# Altium PCB OpenPLCv0.2.0.PcbDoc (part 3 of 6)
Units mm, origin at the board's own origin, x right, y up, seen from the top; angles counter-clockwise.
Board outline 180 x 120 mm, 4 copper layers (Top Copper, Int1 Copper (GND), Int2 Copper (GND), Bottom Copper), stack 1.57 mm thick; 541 components, 405 nets, 1586 pads, 1395 vias.
Unrouted connection lines stored in the file: 4.
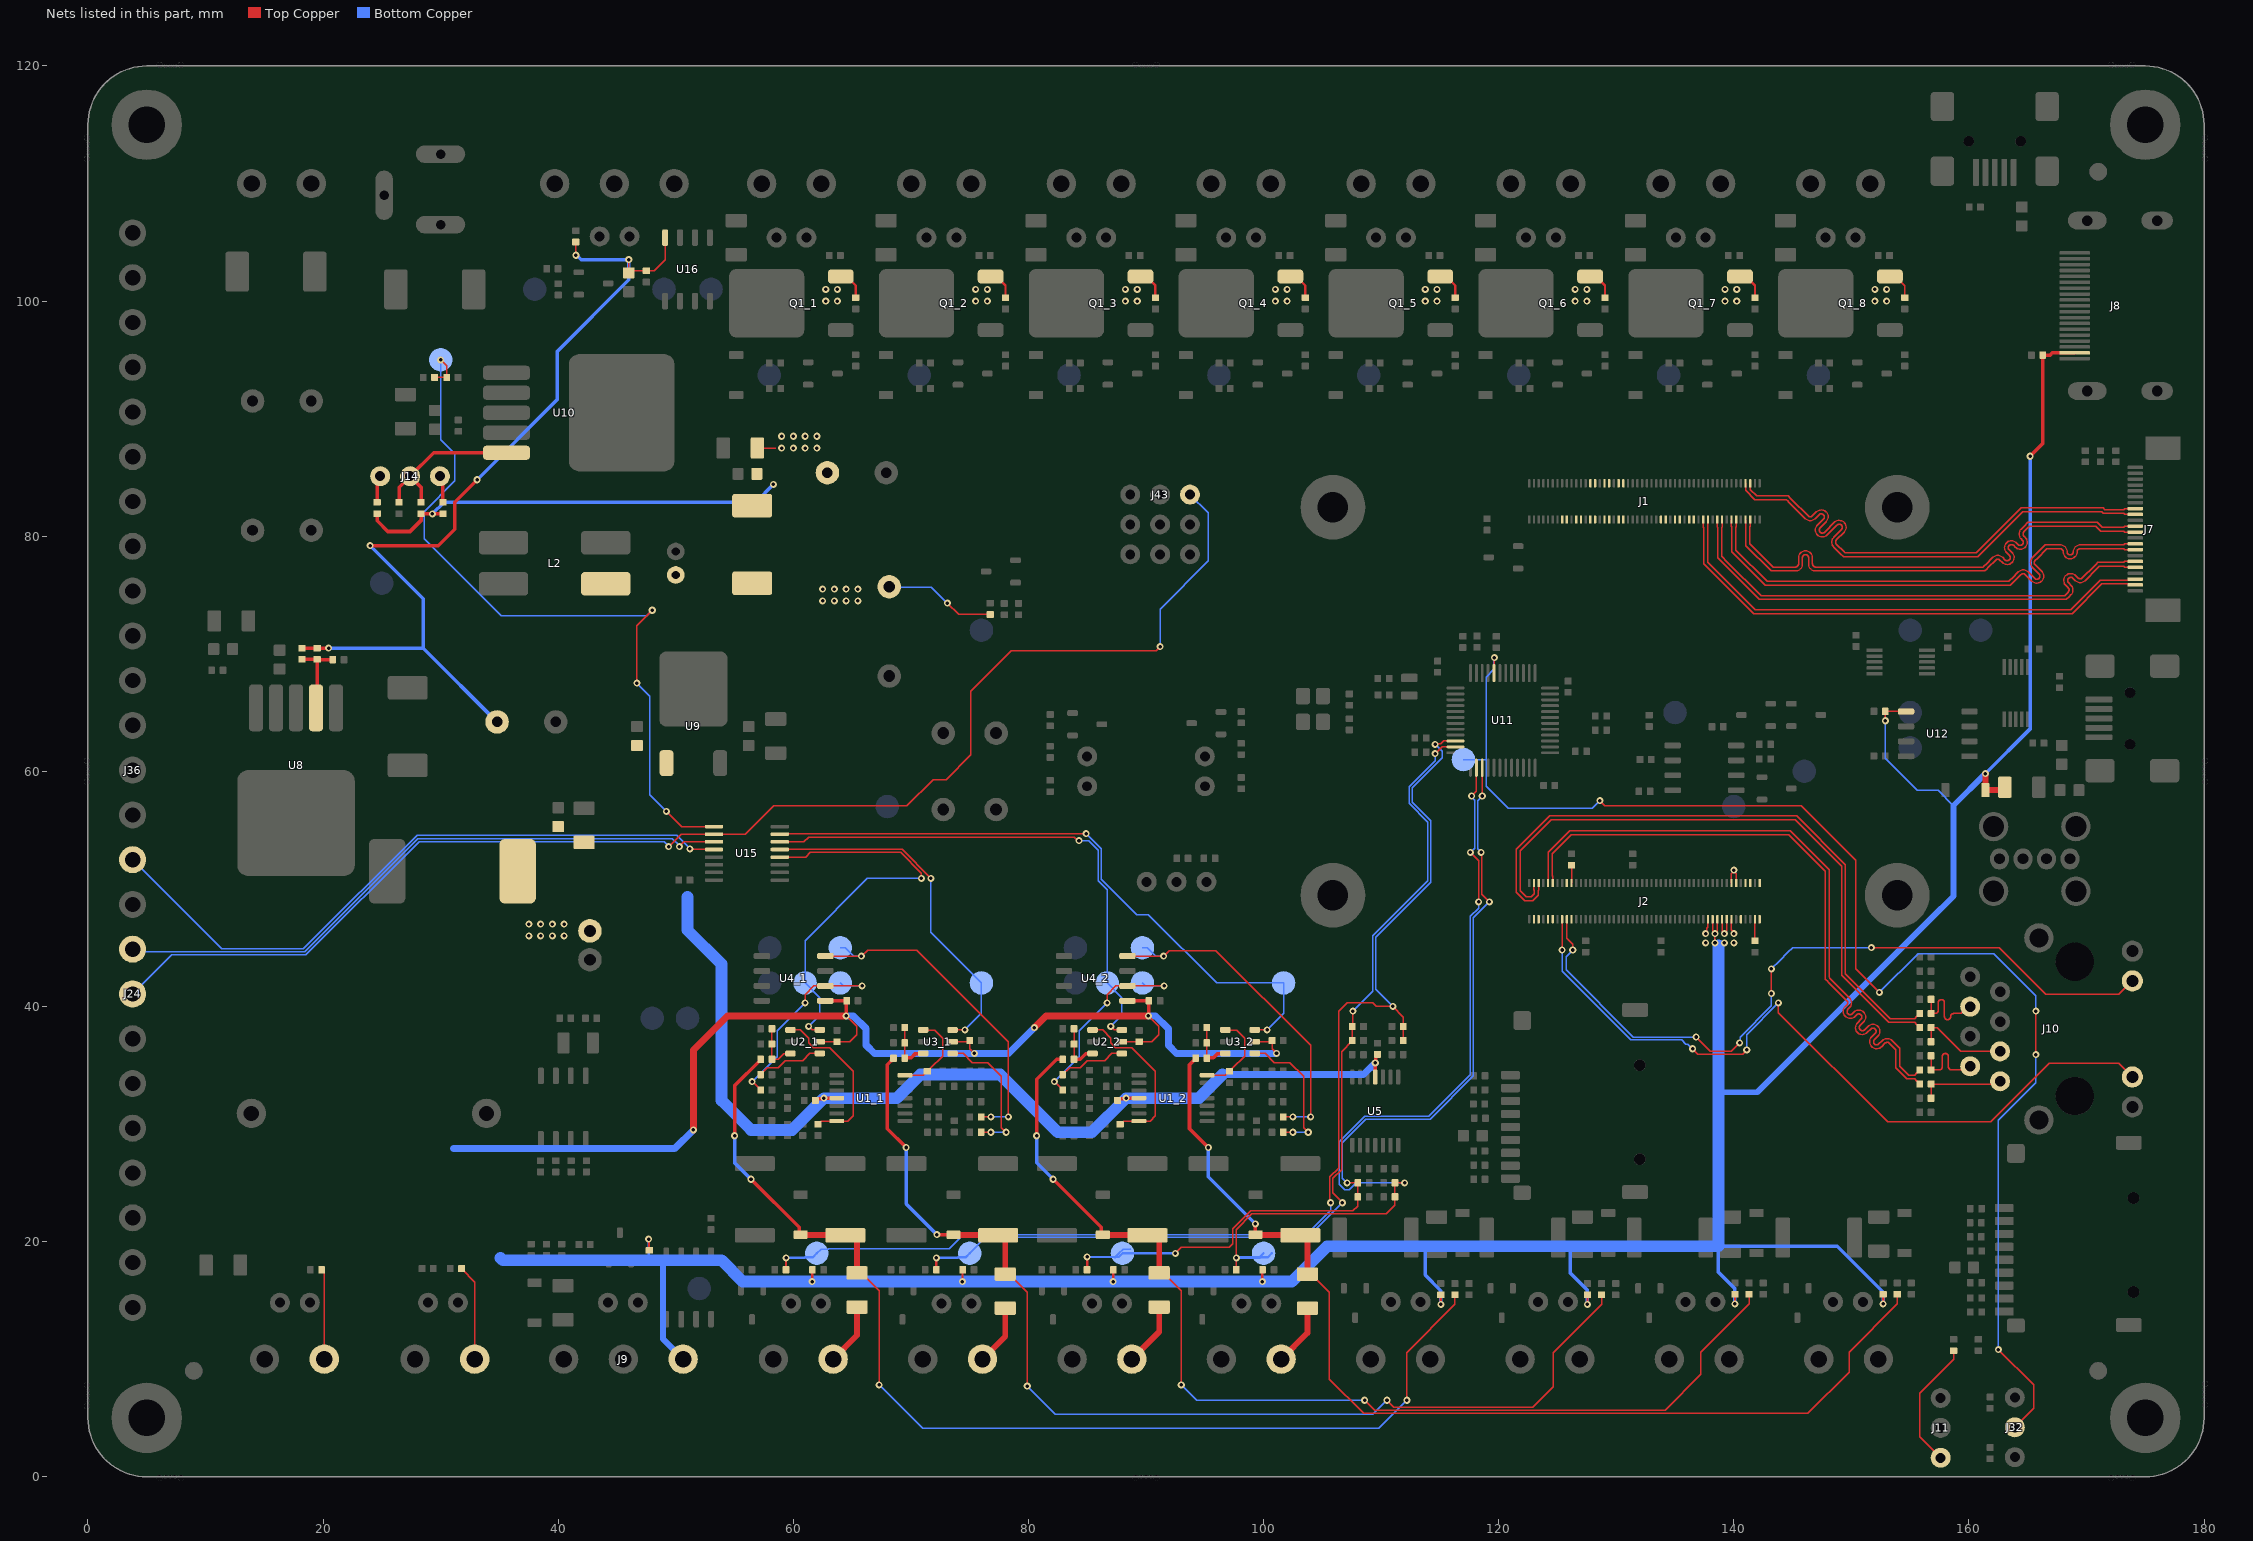
[diagram p5: the nets of this part, all layers, seen from the top]

## Via types
v1: diameter 0.6, hole 0.3, Top Copper to Bottom Copper, tented both sides, 1296 vias
v2: diameter 0.7, hole 0.3, Top Copper to Bottom Copper, tented bottom, 99 vias

## Nets (pads, with @x,y where several pads share a name; then routed paths per layer and width w, separated by ;. In a path a pad name is that pad's centre, name@x,y a point inside that pad or via, vN(x,y) a via of type N, cw(c..) or ccw(c..) an arc to the next point about the centre after c; other vN are vias at no path point) (continued)
5V: C3_1.2 C3_2.2 C6_1.2 C6_2.2 C7_1.2 C7_2.2 C13.2 C17.2 C20.2 C21.2 C22.1 C28.2 C51.2 C58.2 C59.2 D13.2 F8.1 J2.77 J2.79 J2.81 J2.83 J2.85 J2.87 J8.18 J9.1 J31.1 J40.1 L1.2 R54.2 R57.2 R72.2 R76.2 R86_1.2 R86_2.2 R86_3.2 R86_4.2 R86_5.2 R86_6.2 R86_7.2 R86_8.2 U2_1.5 U2_2.5 U3_1.5 U3_2.5 U4_1.5 U4_2.5 U9.1 U12.5 U16.8 | length 480
  Top Copper w0.127: R57.2@31.78,17.7 31.78,17.675 32.9,16.555 J31.1@32.9,10 ; v1(41.5,103.9) R76.2@41.5,105.02 ; C58.2@46,102.4 v1(46,103.52) ; C58.2@46.166,102.566 47.486,102.566 C59.2@47.5,102.58 ; C59.2@47.529,102.584 47.504,102.584 C59.2@47.5,102.58 ; R72.2@47.75,19.25 R72.2@47.775,19.25 ; U16.8@49.095,105.4 49.098,105.397 49.098,103.498 48.18,102.58 C59.2@47.5,102.58 ; U2_1.5@62.25,37 C3_1.2@63.72,37 64.8,37 65.4,37.6 65.4,38.3 v1(64.5,39.2) ; C7_1.2@64.541,40.48 C7_1.2@64.544,40.482 ; U3_1.5@73.55,37 74.92,37 C6_1.2@75.02,37.1 75.02,36.38 v1(75.4,36) ; U2_2.5@87.95,37 C3_2.2@89.42,37 90.5,37 91.1,37.6 91.1,38.3 v1(90.2,39.2) v1@90.222,39.222 ; U3_2.5@99.25,37 100.62,37 C6_2.2@100.72,37.1 100.72,36.38 v1(101.1,36) ; v1(137.6,46.2) 137.691,46.291 137.691,46.645 137.8,46.754 J2.77@137.8,47.42 ; v1@138.2,46.4 J2.79@138.2,47.42 ; v1@138.4,45.5 v1(138.4,46.2) ; v1@138.6,46.4 J2.81@138.6,47.42 ; J2.83@139,47.42 139,46.406 139.1,46.306 v1@139.1,46.2 ; v1@139.4,46.4 J2.85@139.4,47.42 ; J2.87@139.8,47.42 139.8,46.528 140,46.328 v1(140,46.2) ; C51.2@152.88,65.1 C51.2@152.885,65.095 ; v1(152.9,64.3) 152.9,65.08 C51.2@152.885,65.095 ; U12.5@154.65,65.09 154.645,65.095 C51.2@152.885,65.095 ; F8.1@162.683,58.4 F8.1@162.875,58.4 ; J8.18@168.995,95.595 J8.18@169,95.6
  Top Copper w0.2: v1(47.7,20.2) 47.725,20.175 47.725,19.275 R72.2@47.75,19.25 ; v1(61.603,16.6) 61.612,16.608 61.612,17.592 R86_1.2@61.62,17.6 ; v1(74.379,16.6) 74.395,16.615 74.395,17.585 R86_2.2@74.41,17.6 ; v1(87.2,16.6) 87.21,16.61 87.21,17.59 R86_4.2@87.22,17.6 ; v1(99.9,16.6) 99.9,17.58 R86_3.2@99.92,17.6 ; v1(115.08,14.65) R86_5.2@115.08,15.47 ; v1(127.55,14.65) R86_6.2@127.55,15.47 ; v1(140.1,14.7) R86_7.2@140.1,15.52 ; v1(152.7,14.7) R86_8.2@152.7,15.52
  Top Copper w0.3: C17.2@18.2,70.48 R54.2@19.5,70.48 v1(20.48,70.48) ; v1(24,79.2) 29.8,79.2 31.2,80.6 31.2,82.9 v1(33.1,84.8) ; U4_1.5@62.724,40.482 C7_1.2@64.544,40.482 ; v1(64.5,39.2) 64.522,39.222 64.522,40.46 C7_1.2@64.541,40.48 ; U4_2.5@88.424,40.477 88.426,40.48 C7_2.2@90.241,40.48 ; v1@90.222,39.222 90.222,40.46 C7_2.2@90.241,40.48 ; C7_2.2@90.244,40.482 C7_2.2@90.241,40.48 ; v1(165.2,86.8) 166.28,87.88 C13.2@166.28,95.4 166.9,95.4 167.095,95.595 J8.18@168.995,95.595
  Top Copper w0.5: v1(161.4,59.8) D13.2@161.4,58.4 F8.1@162.683,58.4
  Top Copper w0.6: v1(51.5,29.5) 51.5,36.3 54.4,39.2 v1(64.5,39.2) ; v1(80.5,38.2) 81.5,39.2 v1(90.2,39.2)
  Bottom Copper w0.127: 48.853,18.4 48.9,18.353 ; v1(152.9,64.3) 152.9,61.1 155.599,58.401 157.37,58.401 158.686,57.086
  Bottom Copper w0.2: 47.7,18.4 v1(47.7,20.2)
  Bottom Copper w0.3: v1(20.48,70.48) 28.52,70.48 ; v1(24,79.2) 28.52,74.68 28.52,70.48 ; v1(33.1,84.8) 39.9,91.6 39.9,95.7 46,101.8 v1(46,103.52) 41.948,103.52 41.568,103.9 v1(41.5,103.9) ; C22.1@34.8,64.2 28.52,70.48 ; 113.742,19.6 113.742,17.158 115.08,15.82 v1(115.08,14.65) ; 126.106,19.6 126.106,17.294 127.55,15.85 v1(127.55,14.65) ; v1(140.1,14.7) 140.1,16 138.696,17.404 138.696,19.6 148.8,19.6 152.7,15.7 v1(152.7,14.7) ; v1(161.4,59.8) 165.2,63.6 v1(165.2,86.8)
  Bottom Copper w0.5: 48.9,18.353 48.9,11.721 J9.1@50.621,10 ; 138.696,32.7 142,32.7 154,44.7 156.706,47.406 158.686,49.386 158.686,57.086 v1(161.4,59.8)
  Bottom Copper w0.6: 31.1,27.9 49.9,27.9 v1(51.5,29.5) ; v1(64.5,39.2) 65.1,39.2 66.2,38.1 66.2,36.7 66.9,36 v1(75.4,36) 78.3,36 v1(80.5,38.2) ; v1(90.2,39.2) 90.8,39.2 91.9,38.1 91.9,36.7 92.6,36 v1(101.1,36)
  Bottom Copper w1: 35.1,18.6 35.3,18.4 47.7,18.4 48.853,18.4 53.9,18.4 55.7,16.6 v1(61.603,16.6) v1(74.379,16.6) v1(87.2,16.6) v1(99.9,16.6) 102.4,16.6 105.4,19.6 113.742,19.6 126.106,19.6 138.696,19.6 138.696,32.7 138.696,45.204
  other v1: 137.6,45.4 138.4,45.4 139.2,45.4 140,45.4 37.5,46 38.5,46 39.5,46 40.5,46 139.2,46.2 37.5,47 38.5,47 39.5,47 40.5,47
12VOPT: J14.1 R60.1 | length 2.3
  Top Copper w0.3: J14.1@29.94,85.1 30.2,84.84 R60.1@30.2,82.88
24V: BZR1.1 C2_1.2 C2_2.2 C31.2 C37.2 C38.2 C39.1 C63.2 D12.2 J30.1 Q1_1.3 Q1_2.3 Q1_3.3 Q1_4.3 Q1_5.3 Q1_6.3 Q1_7.3 Q1_8.3 R56.2 R60.2 R61.2 R65_1.2 R65_2.2 R65_3.2 R65_4.2 R65_5.2 R65_6.2 R65_7.2 R65_8.2 R101.2 U1_1.4 U1_2.4 U5.4 | length 164.7
  Top Copper w0.127: R56.2@19.88,17.6 20.1,17.38 J30.1@20.1,10 ; C38.2@56.95,87.5 58.5,87.5 ; v1(73.1,74.3) 74.06,73.34 R101.2@76.75,73.34 ; Q1_8.3@153.776,102.093 154.546,101.323 R65_8.2@154.546,100.287
  Top Copper w0.2: Q1_1.3@64.033,102.093 64.533,102.093 65.303,101.323 R65_1.2@65.303,100.287 ; Q1_2.3@76.782,102.093 77.282,102.093 78.052,101.323 R65_2.2@78.052,100.287 ; Q1_3.3@89.531,102.093 90.031,102.093 90.801,101.323 R65_3.2@90.801,100.287 ; Q1_4.3@102.28,102.093 102.78,102.093 103.55,101.323 R65_4.2@103.55,100.287 ; Q1_5.3@115.029,102.093 115.529,102.093 116.299,101.323 R65_5.2@116.299,100.287 ; Q1_6.3@127.778,102.093 128.278,102.093 129.048,101.323 R65_6.2@129.048,100.287 ; Q1_7.3@140.527,102.093 141.027,102.093 141.797,101.323 R65_7.2@141.797,100.287 ; Q1_8.3@153.276,102.093 Q1_8.3@153.776,102.093
  Top Copper w0.3: R61.2@24.6,81.92 24.6,81.3 25.5,80.4 27.4,80.4 28.333,81.333 C31.2@28.333,81.92 28.353,81.9 v1(29.3,81.9) ; v1@29.32,81.92 29.34,81.9 30.18,81.9 R60.2@30.2,81.92 ; C2_1.2@61.88,32 61.88,32.008 62.015,32.143 v1@62.543,32.143 ; v1(62.6,32.2) U1_1.4@63.7,32.2 ; C2_2.2@87.58,32 87.58,32.008 87.715,32.143 88.243,32.143 v1(88.3,32.2) U1_2.4@89.4,32.2 ; U5.4@109.5,34 v1(109.5,35.2) 109.557,35.257 109.557,35.785 109.692,35.92 C63.2@109.7,35.92
  Bottom Copper w0.127: BZR1.1@68.151,75.7 68.176,75.675 71.725,75.675 v1(73.1,74.3)
  Bottom Copper w0.3: v1(29.3,81.9) 30.3,82.9 56.8,82.9 v1(58.3,84.4)
  Bottom Copper w0.6: 96.5,34.2 108.5,34.2 v1(109.5,35.2)
  Bottom Copper w1: 51,49.3 51,46.5 53.9,43.6 53.9,32 56.4,29.5 59.9,29.5 v1(62.6,32.2) 68.8,32.2 70.8,34.2 77.6,34.2 82.5,29.3 85.4,29.3 v1(88.3,32.2) 94.5,32.2 96.5,34.2
  other v1: 62.5,74.5 63.5,74.5 64.5,74.5 65.5,74.5 62.5,75.5 63.5,75.5 64.5,75.5 65.5,75.5 59,87.5 60,87.5 61,87.5 62,87.5 59,88.5 60,88.5 61,88.5 62,88.5 62.757,100 63.757,100 75.506,100 76.506,100 88.255,100 89.255,100 101.004,100 102.004,100 113.753,100 114.753,100 126.502,100 127.502,100 139.251,100 140.251,100 152,100 153,100 62.757,101 63.757,101 75.506,101 76.506,101 88.255,101 89.255,101 101.004,101 102.004,101 113.753,101 114.753,101 126.502,101 127.502,101 139.251,101 140.251,101 152,101 153,101
24V_PD: C32.2 D12.1 L2.3 | length 1.1
  Top Copper w0.127: L2.3@44.05,75.95 L2.3@45.15,75.95
24VOPT: J14.3 R61.1 | length 2.3
  Top Copper w0.3: R61.1@24.6,82.88 24.6,84.84 J14.3@24.86,85.1
ADC_IN1: R23.1 R26.1 R87_1.2 TP13.1 U11.10 | length 103.2
  Top Copper w0.127: v1(105.7,23.3) 105.646,23.354 105.646,25.494 106.377,26.225 106.377,39.577 107.1,40.3 109.279,40.3 109.579,40 v1(111,40) 111.9,39.1 111.9,38.32 R26.1@111.88,38.3 R23.1@111.88,37.1 ; v1(114.6,62.3) 114.639,62.339 115.066,62.339 115.306,62.58 U11.10@116.325,62.58
  Top Copper w0.2: R87_1.2@59.38,17.6 v1(59.38,18.62)
  Bottom Copper w0.127: TP13.1@62,19 62.358,19.358 62.969,19.358 63.011,19.4 73.259,19.4 74.459,20.6 103.641,20.6 105.7,22.659 v1(105.7,23.3) ; v1(111,40) 109.554,41.446 109.554,45.895 114.229,50.57 114.229,55.788 112.63,57.388 112.63,58.589 115.2,61.159 115.2,61.7 v1(114.6,62.3)
  Bottom Copper w0.2: v1(59.38,18.62) 60.983,18.62 61.018,18.656 61.656,18.656 TP13.1@62,19
ADC_IN2: R27.1 R30.1 R87_2.2 TP14.1 U11.11 | length 82.9
  Top Copper w0.127: v1(106.7,23.3) 106.7,23.348 105.9,24.148 105.9,25.389 106.631,26.12 106.631,36.166 107.54,37.075 R27.1@107.54,37.1 R30.1@107.54,38.3 107.6,38.36 v1(107.6,39.6) ; v1(114.6,61.5) 115.18,62.08 U11.11@116.325,62.08
  Top Copper w0.2: R87_2.2@72.17,17.6 v1(72.17,18.62)
  Bottom Copper w0.127: TP14.1@75,19 76.346,20.346 103.746,20.346 v1(106.7,23.3) ; v1(107.6,39.6) 109.3,41.3 109.3,46 113.975,50.675 113.975,55.683 112.376,57.283 112.376,58.694 114.6,60.918 v1(114.6,61.5)
  Bottom Copper w0.2: v1(72.17,18.62) 73.983,18.62 74.018,18.656 74.656,18.656 TP14.1@75,19
ADC_IN3: R31.1 R34.1 R87_3.2 TP15.1 U11.14 | length 76.2
  Top Copper w0.127: R87_3.2@97.68,17.6 v1(97.68,18.62) 97.68,21.021 99.005,22.346 110.446,22.346 111.18,23.08 R34.1@111.18,23.8 R31.1@111.18,25 v1(112,25) ; v1(117.6,53.1) 118.3,52.4 v1(118.3,48.9) ; v1(117.7,57.9) 118.1,58.3 U11.14@118.1,60.305
  Bottom Copper w0.127: v1(112,25) 107.9,25 107.3,24.4 106.9,24.4 106.446,24.854 106.446,28.505 108.595,30.654 114.054,30.654 117.6,34.2 117.6,47.659 118.3,48.359 v1(118.3,48.9) ; v1(117.6,53.1) 117.946,53.446 117.946,57.54 117.7,57.786 v1(117.7,57.9)
  Bottom Copper w0.2: v1(97.68,18.62) 97.747,18.687 99.687,18.687 TP15.1@100,19 ; v1@97.87,18.62 99.683,18.62 99.718,18.656 100.356,18.656 TP15.1@100.7,19
ADC_IN4: R35.1 R38.1 R87_4.2 TP16.1 U11.15 | length 75.7
  Top Copper w0.127: R87_4.2@84.98,17.6 85,17.62 R87_4.2@85,17.68 ; v1(92.5,19) 93,19.5 97.1,19.5 97.4,19.8 97.4,21.1 98.9,22.6 107.6,22.6 108.02,23.02 R38.1@108.02,23.8 R35.1@108.02,25 v1(107.1,25) ; v1(118.5,53.1) 118.554,53.046 118.554,49.546 v1(119.2,48.9) ; v1(118.6,57.9) U11.15@118.6,60.305
  Top Copper w0.2: R87_4.2@85,17.68 84.99,17.69 84.99,18.69 v1(85,18.7)
  Bottom Copper w0.127: TP16.1@87.7,19 88.058,19.358 88.669,19.358 TP16.1@88.711,19.4 ; v1(107.1,25) 106.7,25.4 106.7,28.4 108.7,30.4 114.159,30.4 117.854,34.095 117.854,47.554 v1(119.2,48.9) ; v1(118.5,53.1) 118.2,53.4 118.2,57.5 v1(118.6,57.9)
  Bottom Copper w0.2: v1(85,18.7) 85.013,18.687 TP16.1@87.387,18.687 ; TP16.1@87.356,18.656 TP16.1@87.387,18.687 ; TP16.1@87.7,19 TP16.1@87.387,18.687 ; v1(92.5,19) TP16.1@88,19 87.687,18.687 TP16.1@87.387,18.687
ANALOG_IP0: J2.96
ANALOG_IP1: J2.94
AOUT1_1: D1_1.2 F1_1.1 R8_1.1 R10_1.2 R87_5.2 | length 94.6
  Top Copper w0.127: R10_1.2@57.22,35.475 R10_1.2@57.22,35.5 ; F1_1.1@65.424,17.332 65.768,17.332 67.3,15.8 v1(67.3,7.8) ; v1(112.2,6.5) 112.18,6.52 112.18,10.55 116.28,14.65 R87_5.2@116.28,15.47
  Top Copper w0.3: v1(55,29) 55,33.255 R10_1.2@57.22,35.475 ; v1(56.4,25.3) 60.494,21.206 60.494,20.712 D1_1.2@60.624,20.582
  Top Copper w0.5: D1_1.2@60.624,20.582 60.649,20.557 64.399,20.557 R8_1.1@64.424,20.532 65.049,20.532 65.424,20.157 F1_1.1@65.424,17.332
  Bottom Copper w0.127: v1(67.3,7.8) 71,4.1 109.8,4.1 v1(112.2,6.5)
  Bottom Copper w0.3: v1(55,29) 55,26.7 v1(56.4,25.3)
AOUT1_2: D1_2.2 F1_2.1 R8_2.1 R10_2.2 R87_7.2 | length 91.7
  Top Copper w0.127: F1_2.1@91.124,17.332 91.468,17.332 93,15.8 v1(93,7.8) ; v1(108.6,6.5) 109.446,5.654 134.154,5.654 137.2,8.7 137.2,10.6 141.3,14.7 R87_7.2@141.3,15.52
  Top Copper w0.3: v1(80.7,29) 80.7,33.8 82.4,35.5 R10_2.2@82.92,35.5 ; v1(82.1,25.3) 86.194,21.206 86.194,20.712 D1_2.2@86.324,20.582
  Top Copper w0.5: D1_2.2@86.324,20.582 86.349,20.557 90.099,20.557 R8_2.1@90.124,20.532 90.749,20.532 91.124,20.157 F1_2.1@91.124,17.332
  Bottom Copper w0.127: v1(93,7.8) 94.3,6.5 v1(108.6,6.5)
  Bottom Copper w0.3: v1(80.7,29) 80.7,26.7 v1(82.1,25.3)
AOUT1_PTC_1: F1_1.2 J3_1.1 | length 5.3
  Top Copper w0.5: J3_1.1@63.39,10 65.424,12.034 F1_1.2@65.424,14.432
AOUT1_PTC_2: F1_2.2 J3_2.1 | length 5.4
  Top Copper w0.5: J3_2.1@88.794,10 91.124,12.33 F1_2.2@91.124,14.432
AOUT2_1: D2_1.2 F2_1.1 R19_1.1 R22_1.2 R87_6.2 | length 93.1
  Top Copper w0.127: R22_1.2@68.52,35.575 R22_1.2@68.52,35.6 ; F2_1.1@78.024,17.232 78.368,17.232 79.9,15.7 v1(79.9,7.7) ; v1(110.5,6.5) 111.092,5.908 122.908,5.908 124.65,7.65 124.65,10.55 128.75,14.65 R87_6.2@128.75,15.47
  Top Copper w0.3: R22_1.2@68.52,35.575 68,35.055 68,29.6 v1(69.6,28) ; v1(72.218,20.582) D2_1.2@73.624,20.582
  Top Copper w0.5: D2_1.2@73.624,20.582 73.649,20.557 77.399,20.557 R19_1.1@77.424,20.532 77.649,20.532 78.024,20.157 F2_1.1@78.024,17.232
  Bottom Copper w0.127: v1(79.9,7.7) 82.3,5.3 109.3,5.3 v1(110.5,6.5)
  Bottom Copper w0.3: v1(69.6,28) 69.6,23.2 v1(72.218,20.582)
AOUT2_2: D2_2.2 F2_2.1 R19_2.1 R22_2.2 R87_8.2 | length 90.1
  Top Copper w0.127: R22_2.2@94.22,35.575 R22_2.2@94.22,35.6 ; F2_2.1@103.724,17.232 104.068,17.232 105.6,15.7 105.6,8.308 108.508,5.4 146.3,5.4 149.8,8.9 149.8,10.6 153.9,14.7 R87_8.2@153.9,15.52
  Top Copper w0.3: R22_2.2@94.22,35.575 93.7,35.055 93.7,29.6 v1(95.3,28) ; v1(99.3,21.5) 99.3,20.606 D2_2.2@99.324,20.582
  Top Copper w0.5: D2_2.2@99.324,20.582 99.349,20.557 103.099,20.557 R19_2.1@103.124,20.532 103.349,20.532 103.724,20.157 F2_2.1@103.724,17.232
  Bottom Copper w0.3: v1(95.3,28) 95.3,25.5 v1(99.3,21.5)
AOUT2_PTC_1: F2_1.2 J4_1.1 | length 5.1
  Top Copper w0.5: J4_1.1@76.092,10 78.024,11.932 F2_1.2@78.024,14.332
AOUT2_PTC_2: F2_2.2 J4_2.1 | length 5.3
  Top Copper w0.5: J4_2.1@101.496,10 103.724,12.228 F2_2.2@103.724,14.332
B\T\_\D\I\S\A\B\L\E\: J2.91
BOOT0: J32.2 TP25.1 U11.44 | length 117.2
  Top Copper w0.127: U11.44@119.6,68.355 119.618,68.373 119.618,69.645 v1(119.637,69.663) ; v1(128.6,57.5) 129.011,57.089 145.731,57.089 150.389,52.431 150.389,43.2 v1(152.389,41.2) ; v1(162.5,10.8) 165.5,7.8 165.5,5.8 J32.2@163.9,4.2 ; v1(165.7,35.9) v1(165.7,39.6)
  Bottom Copper w0.127: TP25.1@117,61 118.915,61 118.926,60.989 ; v1@119.6,69.634 119.6,68.678 118.938,68.016 118.938,58.721 120.805,56.854 127.954,56.854 v1(128.6,57.5) ; v1@119.608,69.634 v1(119.637,69.663) ; v1(152.389,41.2) 155.689,44.5 162.1,44.5 165.7,40.9 v1(165.7,39.6) ; v1(162.5,10.8) 162.5,30.3 165.7,33.5 v1(165.7,35.9)
CAM0_C_N: J1.40
CAM0_C_P: J1.42
CAM0_D0_N: J1.28
CAM0_D0_P: J1.30
CAM0_D1_N: J1.34
CAM0_D1_P: J1.36
CAM1_C_N: J1.27
CAM1_C_P: J1.29
CAM1_D0_N: J1.15
CAM1_D0_P: J1.17
CAM1_D1_N: J1.21
CAM1_D1_P: J1.23
CAM1_D2_N: J1.33
CAM1_D2_P: J1.35
CAM1_D3_N: J1.39
CAM1_D3_P: J1.41
CAMERA_GPIO: J2.97 R91.2 | length 1.8
  Top Copper w0.127: R91.2@141.8,45.58 J2.97@141.8,47.42
CM4_1V8: J2.88 J2.90 | length 2.4
  Top Copper w0.127: J2.88@139.8,50.5 139.8,51.286 v1@140,51.486 ; J2.90@140.2,50.5 140.2,51.286 v1@140,51.486 ; v1@140,51.486 v1(140,51.6) v1@140,51.486
DAC_CH1_1: R1_1.1 TP6_1.1 U4_1.6 | length 17.4
  Top Copper w0.127: v1(56.5,33.6) 56.545,33.6 57.22,32.925 R1_1.1@57.22,32.9 ; v1(61,40.3) 61,41 61.747,41.747 U4_1.6@62.724,41.747 v1(65.847,41.747)
  Bottom Copper w0.127: v1(56.5,33.6) 58.621,35.721 58.621,37.921 v1(61,40.3) ; TP6_1.1@64,42 64.253,41.747 v1(65.847,41.747)
DAC_CH1_2: R1_2.1 TP6_2.1 U4_2.6 | length 17.4
  Top Copper w0.127: v1(82.2,33.6) 82.245,33.6 82.92,32.925 R1_2.1@82.92,32.9 ; v1(86.7,40.3) 86.7,41 87.447,41.747 U4_2.6@88.424,41.747 v1(91.547,41.747)
  Bottom Copper w0.127: v1(82.2,33.6) 84.321,35.721 84.321,37.921 v1(86.7,40.3) ; TP6_2.1@89.7,42 89.953,41.747 v1(91.547,41.747)
DAC_CH2_1: R12_1.1 TP11_1.1 U4_1.8 | length 29.8
  Top Copper w0.127: U4_1.8@62.724,44.287 v1(65.798,44.287) 66.311,44.8 70.482,44.8 78.3,36.982 v1(78.3,30.6) ; R12_1.1@75.98,30.6 v1(76.8,30.6)
  Bottom Copper w0.127: TP11_1.1@64,45 64.42,45 65.132,44.287 v1(65.798,44.287) ; v1(76.8,30.6) v1(78.3,30.6)
DAC_CH2_2: R12_2.1 TP11_2.1 U4_2.8 | length 29.6
  Top Copper w0.127: U4_2.8@88.424,44.287 v1(91.498,44.287) 91.964,44.753 95.929,44.753 104,36.682 v1(104,30.6) ; R12_2.1@101.68,30.6 v1(102.5,30.6)
  Bottom Copper w0.127: TP11_2.1@89.7,45 90.119,45 90.832,44.287 v1(91.498,44.287) ; v1(102.5,30.6) v1(104,30.6)
DSI0.CLK_N: J1.87 J7.15 | length 43.1
  Top Copper w0.127: J1.87@139.8,81.42 139.8,80.837 139.836,80.801 139.836,78.688 142.692,75.832 163.532,75.832 163.749,76.049 163.909,76.209 ccw(c163.794,76.325) 163.91,76.21 164.429,76.729 cw(c164.617,76.544) 164.803,76.73 ; 164.804,76.729 165.35,76.183 ccw(c165.769,76.599) 166.234,76.963 166.234,76.969 165.639,77.565 cw(c165.824,77.752) 165.638,77.938 ; 165.639,77.939 165.798,78.098 166.636,78.936 166.679,78.936 167.76,78.936 cw(c167.76,78.673) 168.024,78.673 ccw(c168.614,78.673) 169.205,78.673 cw(c169.468,78.673) 169.468,78.936 170.5,78.936 173.15,78.936 173.236,78.85 J7.15@174.15,78.85
DSI0.CLK_P: J1.89 J7.14 | length 42.5
  Top Copper w0.127: J1.89@140.2,81.42 140.2,80.8 140.163,80.763 140.163,78.823 142.828,76.159 163.397,76.159 163.518,76.28 163.678,76.44 cw(c163.794,76.325) 163.679,76.441 164.198,76.961 cw(c164.617,76.544) 165.035,76.961 165.582,76.414 ccw(c165.769,76.599) 165.955,76.786 ; 165.954,76.787 165.408,77.333 cw(c165.824,77.752) 165.407,78.17 165.567,78.33 166.501,79.263 166.679,79.263 167.76,79.263 cw(c167.76,78.673) 168.351,78.673 ccw(c168.614,78.673) 168.878,78.673 cw(c169.468,78.673) 169.468,79.263 170.5,79.263 173.15,79.263 173.237,79.35 J7.14@174.15,79.35
DSI0.D0_N: J1.75 J7.21 | length 43.3
  Top Copper w0.127: J1.75@137.4,81.42 137.4,80.754 137.436,80.717 137.436,77.644 141.68,73.4 168.782,73.4 171.319,75.937 171.5,75.937 173.489,75.937 173.496,75.929 174.071,75.929 J7.21@174.15,75.85
DSI0.D0_P: J1.77 J7.20 | length 42.8
  Top Copper w0.127: J1.77@137.8,81.42 137.8,80.754 137.763,80.717 137.763,77.779 141.816,73.727 168.647,73.727 171.183,76.263 171.5,76.263 173.489,76.263 173.496,76.271 174.071,76.271 J7.20@174.15,76.35
DSI0.D1_N: J1.81 J7.18 | length 43
  Top Copper w0.127: J1.81@138.6,81.42 138.6,80.778 138.636,80.741 138.636,78.163 139,77.8 142.184,74.616 168.278,74.616 168.513,74.851 168.673,75.011 ccw(c168.256,75.429) 168.722,75.792 168.722,75.799 168.474,76.047 ; 168.473,76.047 cw(c168.659,76.234) 168.845,76.42 169.046,76.219 ccw(c169.464,76.637) 169.882,76.22 170.888,77.226 ccw(c170.773,77.342) 170.889,77.227 171.049,77.387 171.099,77.437 173.15,77.437 173.236,77.35 J7.18@174.15,77.35
DSI0.D1_P: J1.83 J7.17 | length 42.5
  Top Copper w0.127: J1.83@139,81.42 139,80.781 138.963,80.745 138.963,78.299 139.462,77.8 142.319,74.943 168.143,74.943 168.282,75.082 168.442,75.242 ; 168.443,75.243 ccw(c168.256,75.429) 168.442,75.616 168.241,75.817 cw(c168.659,76.234) 169.077,76.651 169.277,76.451 ; 169.278,76.45 ccw(c169.464,76.637) 169.651,76.451 ; 169.651,76.451 170.657,77.457 cw(c170.773,77.342) 170.658,77.458 170.818,77.618 170.964,77.764 173.15,77.764 173.236,77.85 J7.17@174.15,77.85
DSI0.D2_N: J1.93 J7.12 | length 43
  Top Copper w0.127: J1.93@141,81.42 141,80.837 141.036,80.801 141.036,79.208 143.196,77.048 143.312,77.048 145.247,77.048 ccw(c145.247,77.638) 145.837,77.638 145.837,78.17 cw(c146.101,78.17) 146.101,78.434 cw(c146.101,78.17) 146.364,78.17 146.364,77.638 ccw(c146.955,77.638) 146.955,77.048 148.38,77.048 161.348,77.048 161.498,77.198 161.658,77.358 ccw(c161.543,77.474) 161.659,77.359 162.261,77.961 cw(c162.448,77.776) 162.635,77.962 162.834,77.763 ccw(c163.252,78.18) 163.718,78.543 163.718,78.55 163.43,78.837 cw(c163.616,79.024) 163.43,79.21 cw(c163.616,79.024) 163.803,79.21 163.952,79.061 ccw(c164.369,79.478) 164.786,79.896 164.677,80.006 cw(c164.864,80.191) 164.678,80.378 165.002,80.702 ccw(c164.887,80.818) 165.003,80.703 165.158,80.858 165.167,80.858 170.779,80.858 171.201,80.437 173.15,80.437 173.236,80.35 J7.12@174.15,80.35
DSI0.D2_P: J1.95 J7.11 | length 42.5
  Top Copper w0.127: J1.95@141.4,81.42 141.4,80.838 141.363,80.801 141.363,79.343 143.312,77.395 143.332,77.375 145.247,77.375 ccw(c145.247,77.638) 145.51,77.638 145.51,78.17 cw(c146.101,78.17) 146.101,78.761 cw(c146.101,78.17) 146.691,78.17 146.691,77.638 ccw(c146.955,77.638) 146.955,77.375 148.38,77.375 161.213,77.375 161.267,77.429 161.362,77.525 161.427,77.589 cw(c161.543,77.474) 161.428,77.59 162.03,78.193 cw(c162.448,77.776) 162.867,78.193 163.065,77.994 ; 163.065,77.994 ccw(c163.252,78.18) 163.438,78.367 163.2,78.605 cw(c163.616,79.024) 163.198,79.441 ; 163.199,79.442 cw(c163.616,79.024) 163.979,79.489 163.986,79.489 164.182,79.293 ccw(c164.369,79.478) 164.555,79.665 164.447,79.773 cw(c164.864,80.191) 164.447,80.61 164.77,80.933 cw(c164.887,80.818) 164.771,80.934 164.931,81.094 165.023,81.185 170.915,81.185 171.337,80.764 173.15,80.764 173.236,80.85 J7.11@174.15,80.85
DSI0.D3_N: J1.94 J7.9 | length 43
  Top Copper w0.127: J1.94@141,84.5 141,83.9 141.8,83.1 144.481,83.1 144.581,83.001 144.693,82.888 146.084,81.497 ccw(c146.502,81.914) 146.92,81.497 147.251,81.827 ; 147.251,81.828 cw(c147.438,81.642) 147.624,81.455 147.063,80.894 147.063,80.888 ccw(c147.528,80.524) 147.109,80.108 ccw(c147.528,80.524) 147.111,80.107 ccw(c147.528,80.524) 147.112,80.105 ccw(c147.528,80.524) 147.947,80.108 ; 147.947,80.108 148.778,80.939 ; 148.779,80.94 cw(c148.965,80.754) 149.151,80.567 ; 149.151,80.567 148.501,79.917 ccw(c148.918,79.498) 148.501,79.08 149.152,78.429 149.265,78.317 149.317,78.264 160.764,78.264 164.574,82.074 171.28,82.074 171.418,81.937 173.15,81.937 173.236,81.85 J7.9@174.15,81.85
DSI0.D3_P: J1.96 J7.8 | length 42.4
  Top Copper w0.127: J1.96@141.4,84.5 141.4,83.962 141.935,83.427 144.617,83.427 144.812,83.232 144.924,83.119 146.315,81.728 ; 146.316,81.728 ccw(c146.502,81.914) 146.689,81.728 ; 146.689,81.728 147.02,82.059 cw(c147.438,81.642) 147.855,81.223 147.343,80.712 ; 147.342,80.711 ccw(c147.528,80.524) 147.342,80.338 ccw(c147.528,80.524) 147.715,80.338 ; 147.715,80.339 148.596,81.219 148.602,81.219 cw(c148.965,80.754) 149.382,80.335 148.732,79.686 ccw(c148.918,79.498) 148.732,79.312 149.383,78.66 149.453,78.591 149.539,78.591 160.629,78.591 164.439,82.401 171.416,82.401 171.553,82.264 173.15,82.264 173.237,82.35 J7.8@174.15,82.35
DSI0_C_N: J1.69
DSI0_C_P: J1.71
DSI0_D0_N: J1.57
DSI0_D0_P: J1.59
DSI0_D1_N: J1.63
DSI0_D1_P: J1.65
E\E\P\R\O\M\_\W\P\: J2.20 R90.2 | length 1.5
  Top Copper w0.127: J2.20@126.2,50.5 R90.2@126.2,52.02
E\T\H\_\L\E\D\1\: J2.19
E\T\H\_\L\E\D\2\: J2.17 J10.11 | length 63.6
  Top Copper w0.127: J2.17@125.8,47.42 125.8,45.8 126.3,45.3 v1(126.3,44.8) ; v1(136.8,37.4) 138,36.2 139.8,36.2 v1(140.5,36.9) ; v1(143.2,41.1) v1(143.2,43.2) ; v1(151.7,45) 162.562,45 166.535,41.027 172.757,41.027 J10.11@173.9,42.17
  Bottom Copper w0.127: v1(126.3,44.8) 125.727,44.227 125.727,43.135 131.462,37.4 v1(136.8,37.4) ; v1(140.5,36.9) 140.531,36.931 140.531,37.39 143.2,40.059 v1(143.2,41.1) ; v1(143.2,43.2) 143.9,43.9 144.6,44.6 145,45 v1(151.7,45)
E\T\H\_\L\E\D\3\: J2.15 J10.10 | length 65.6
  Top Copper w0.127: v1(125.4,44.8) J2.15@125.4,47.42 ; v1(136.5,36.4) 136.954,35.946 140.746,35.946 v1(141.1,36.3) ; v1(143.8,40.3) 143.8,39.479 153.079,30.2 161.862,30.2 166.835,35.173 172.727,35.173 J10.10@173.9,34
  Bottom Copper w0.127: v1(125.4,44.8) 125.4,43 131.254,37.146 135.554,37.146 135.919,36.781 136.097,36.781 136.478,36.4 v1(136.5,36.4) ; v1(141.1,36.3) 141.1,37.6 v1(143.8,40.3)
E\X\T\R\S\T\: J2.100
ETH_GB.D0_N: J2.10 R51.1 | length 55
  Top Copper w0.127: J2.10@124.2,50.5 124.2,51.083 124.237,51.119 124.237,53.117 126.047,54.927 144.815,54.927 148.1,51.642 148.1,42.462 148.165,42.398 148.208,42.354 148.368,42.194 cw(c148.253,42.078) 148.37,42.193 149.839,40.724 ; 149.707,39.755 ccw(c149.893,39.569) 150.08,39.383 ; 149.708,39.756 149.839,39.887 ccw(c149.422,40.305) 149.839,40.723 ; 150.081,39.383 150.211,39.514 ; 150.212,39.514 cw(c150.63,39.098) 151.047,39.515 cw(c150.63,39.098) 151.047,38.679 150.754,38.387 150.753,38.386 ccw(c150.94,38.2) 151.127,38.014 ; 151.127,38.015 151.419,38.306 ; 151.419,38.307 cw(c151.838,37.89) 152.255,38.307 cw(c151.838,37.89) 152.254,37.472 151.962,37.179 151.961,37.178 ccw(c152.148,36.992) 152.335,36.807 ; 152.335,36.807 152.627,37.099 ; 152.627,37.099 cw(c153.045,36.682) 153.463,37.099 ; 153.464,37.099 153.623,36.939 154.1,36.462 154.1,34.924 154.86,34.164 155.384,34.164 155.574,34.354 155.599,34.354 155.82,34.575 R51.1@155.82,34.6
ETH_GB.D0_P: J2.12 R50.1 | length 54.5
  Top Copper w0.127: J2.12@124.6,50.5 124.6,51.082 124.563,51.119 124.563,52.981 126.182,54.6 144.68,54.6 147.773,51.507 147.773,42.327 147.977,42.123 148.029,42.071 148.137,41.963 ccw(c148.253,42.078) 148.138,41.962 149.608,40.492 ; 149.608,40.118 149.477,39.987 ccw(c149.893,39.569) 150.312,39.152 150.443,39.283 ; 149.608,40.492 cw(c149.422,40.305) 149.608,40.119 ; 150.443,39.283 150.444,39.284 cw(c150.63,39.098) 150.815,39.285 ; 150.817,39.283 cw(c150.63,39.098) 150.816,38.911 150.524,38.619 ccw(c150.94,38.2) 151.358,37.783 151.651,38.076 ; 151.651,38.076 151.652,38.077 cw(c151.838,37.89) 152.023,38.077 ; 152.025,38.075 cw(c151.838,37.89) 152.023,37.703 151.731,37.411 ccw(c152.148,36.992) 152.566,36.576 152.858,36.868 ; 152.858,36.868 cw(c153.045,36.682) 153.231,36.869 ; 153.232,36.868 153.392,36.708 153.555,36.545 153.773,36.327 153.773,34.788 154.725,33.837 155.383,33.837 155.574,33.647 155.599,33.647 155.82,33.425 R50.1@155.82,33.4
ETH_GB.D1_N: J2.6 R53.1 | length 55.3
  Top Copper w0.127: J2.6@123.4,50.5 123.4,49.9 123.364,49.864 123.364,49.464 122.9,49 122.2,49 121.5,49.7 121.5,53.362 121.838,53.7 124.338,56.2 145.362,56.2 149.5,52.062 149.5,42.782 153.319,38.964 155.384,38.964 155.574,39.154 155.599,39.154 155.82,39.375 R53.1@155.82,39.4
ETH_GB.D1_P: J2.4 R52.1 | length 53.7
  Top Copper w0.127: J2.4@123,50.5 123,49.906 123.037,49.87 123.037,49.599 122.765,49.327 122.335,49.327 121.827,49.835 121.827,53.227 122.3,53.7 124.473,55.873 125.901,55.873 145.227,55.873 149.173,51.927 149.173,42.647 153.183,38.637 155.383,38.637 155.574,38.447 155.599,38.447 155.82,38.225 R52.1@155.82,38.2
ETH_GB.D2_N: J2.9
ETH_GB.D2_P: J2.11
ETH_GB.D3_N: J2.5
ETH_GB.D3_P: J2.3
ETH_GB.SYNC_OUT: J2.18
ETH_RES_0_N: J10.2 R45.1 R51.2 | length 7
  Top Copper w0.127: R45.1@156.78,35.8 R51.2@156.78,34.6 157.403,34.6 157.466,34.6 ccw(c157.466,34.864) 157.73,34.864 157.73,35.735 cw(c157.993,35.735) 158.257,35.735 158.257,34.864 ccw(c158.52,34.864) 158.52,34.6 159.379,34.6 159.394,34.615 159.684,34.905 J10.2@160.11,34.905
ETH_RES_0_P: J10.1 R44.1 R50.2 | length 7.2
  Top Copper w0.127: R44.1@156.78,32.2 R50.2@156.78,33.4 162.415,33.4 J10.1@162.65,33.635
ETH_RES_1_N: J10.6 R47.1 R53.2 | length 7.5
  Top Copper w0.127: R53.2@156.78,39.4 157.065,39.4 157.129,39.4 ccw(c157.129,39.664) 157.392,39.664 157.392,40.325 cw(c157.656,40.325) 157.919,40.325 157.919,39.136 ccw(c158.183,39.136) 158.446,39.136 cw(c158.71,39.137) 158.71,39.4 159.23,39.4 159.329,39.4 159.914,39.985 J10.6@160.11,39.985 ; R53.2@156.78,39.425 R47.1@156.78,40.6
ETH_RES_1_P: J10.3 R46.1 R52.2 | length 7.9
  Top Copper w0.127: R46.1@156.78,37 R52.2@156.78,38.2 157.3,38.2 159.325,36.175 J10.3@162.65,36.175
EXP_GPIO1: TP4_1.1 U2_1.6 U15.4 | length 34.8
  Top Copper w0.127: U15.4@58.85,52.7 61.051,52.7 61.447,53.096 69.145,53.096 70.9,51.341 v1(70.9,50.9) ; v1(61.3,38.3) 61.309,38.3 61.609,38 U2_1.6@62.25,38
  Bottom Copper w0.127: v1(61.3,38.3) 62.25,39.25 62.25,40.75 TP4_1.1@61,42 61,45.6 66.3,50.9 v1(70.9,50.9)
EXP_GPIO2: TP5_1.1 U3_1.6 U15.5 | length 30.2
  Top Copper w0.127: U15.5@58.85,53.35 69.25,53.35 v1(71.7,50.9) ; U3_1.6@73.55,38 v1(74.6,38)
  Bottom Copper w0.127: v1(71.7,50.9) 71.7,46.3 TP5_1.1@76,42 76,39.4 v1(74.6,38)
EXP_GPIO3: TP4_2.1 U2_2.6 U15.6 | length 45
  Top Copper w0.127: U15.6@58.85,54 60.9,54 61.296,54.396 83.902,54.396 84.198,54.1 v1(84.3,54.1) ; v1(87,38.3) 87.009,38.3 87.309,38 U2_2.6@87.95,38
  Bottom Copper w0.127: v1(84.3,54.1) 85.141,54.1 85.946,53.295 85.946,50.695 86.7,49.941 TP4_2.1@86.7,42 87.95,40.75 87.95,39.25 v1(87,38.3)
EXP_GPIO4: TP5_2.1 U3_2.6 U15.7 | length 55.3
  Top Copper w0.127: U15.7@58.85,54.65 58.875,54.675 84.875,54.675 v1(84.9,54.7) ; U3_2.6@99.25,38 v1(100.3,38)
  Bottom Copper w0.127: v1(84.9,54.7) 86.2,53.4 86.2,50.8 89.2,47.8 90.2,47.8 96,42 TP5_2.1@101.7,42 101.7,39.4 v1(100.3,38)
EXP_GPIO5: R62.2 R73.1 TP3.1 U15.9 | length 65.1
  Top Copper w0.127: R62.2@29.48,93.5 R73.1@30.52,93.5 30.52,94.48 v1(30,95) ; v1(46.7,67.5) 46.7,72.4 v1(48,73.7) ; v1(49.2,56.6) 50.5,55.3 U15.9@53.25,55.3
  Bottom Copper w0.127: v1(30,95) 30,88.2 31.2,87 31.2,84.7 28.6,82.1 28.6,79.779 35.16,73.218 47.518,73.218 v1(48,73.7) ; v1(46.7,67.5) 47.8,66.4 47.8,58 v1(49.2,56.6)
EXP_GPIO6: J24.3 J43.1 U15.10 | length 118.5
  Top Copper w0.127: v1(49.4,53.6) 50.45,54.65 U15.10@53.25,54.65 55.932,54.65 58.336,57.054 69.654,57.054 71.9,59.3 72.992,59.3 75.092,61.4 75.092,66.81 78.533,70.251 90.865,70.251 91.2,70.586 v1(91.2,70.61)
  Bottom Copper w0.127: J24.3@3.8,41.06 7.132,44.392 18.537,44.392 28.169,54.024 49.041,54.024 49.4,53.665 v1(49.4,53.6) ; v1(91.2,70.61) 91.2,73.8 95.3,77.9 95.3,81.98 J43.1@93.74,83.54
EXP_GPIO7: J24.4 U15.11 | length 54
  Top Copper w0.127: v1(50.3,53.6) 50.7,54 U15.11@53.25,54
  Bottom Copper w0.127: J24.4@3.8,44.87 4.024,44.646 18.432,44.646 28.064,54.278 49.722,54.278 50.3,53.7 v1(50.3,53.6)
EXP_GPIO8: J36.1 U15.12 | length 57.1
  Top Copper w0.127: v1(51.2,53.4) 51.225,53.375 53.225,53.375 U15.12@53.25,53.35
  Bottom Copper w0.127: J36.1@3.8,52.48 11.38,44.9 18.326,44.9 27.992,54.566 50.093,54.566 51.2,53.458 v1(51.2,53.4)
FB_1_1: R2_1.1 U2_1.4 | length 5.8
  Top Copper w0.127: R2_1.1@57.22,34.2 57.22,34.225 57.795,34.8 58.7,34.8 59.3,35.4 60.8,35.4 61.4,36 U2_1.4@62.25,36
FB_1_2: R2_2.1 U2_2.4 | length 5.8
  Top Copper w0.127: R2_2.1@82.92,34.2 82.92,34.225 83.495,34.8 84.4,34.8 85,35.4 86.5,35.4 87.1,36 U2_2.4@87.95,36
FB_2_1: R13_1.1 U3_1.4 | length 12
  Top Copper w0.127: U3_1.4@73.55,36 74.451,36 75.227,35.224 76.535,35.224 77.7,34.059 77.7,29.7 v1(78.1,29.3) ; R13_1.1@75.98,29.3 v1(76.8,29.3)
  Bottom Copper w0.127: v1(76.8,29.3) v1(78.1,29.3)
FB_2_2: R13_2.1 U3_2.4 | length 12
  Top Copper w0.127: U3_2.4@99.25,36 100.151,36 100.927,35.224 102.235,35.224 103.4,34.059 103.4,29.7 v1(103.8,29.3) ; R13_2.1@101.68,29.3 v1(102.5,29.3)
  Bottom Copper w0.127: v1(102.5,29.3) v1(103.8,29.3)
FB_5V: C17.1 R54.1 R55.2 U8.2 | length 6.8
  Top Copper w0.127: U8.2@19.4,65.4 U8.2@19.5,65.5
  Top Copper w0.3: C17.1@18.2,69.52 R54.1@19.5,69.52 ; U8.2@19.5,65.5 R54.1@19.5,69.52 ; R55.2@20.82,69.5 20.81,69.51 19.51,69.51 R54.1@19.5,69.52
FB_24V: C31.1 J14.2 R63.2 U10.5 | length 14.2
  Top Copper w0.3: R63.2@26.467,82.88 26.467,84.167 J14.2@27.4,85.1 ; C31.1@28.333,82.88 28.333,84.167 J14.2@27.4,85.1 ; U10.5@35.6,87.1 29.4,87.1 J14.2@27.4,85.1
FB_CC_1_1: R9_1.2 U1_1.7 U2_1.1 | length 14.1
  Top Copper w0.127: U2_1.1@59.75,38 60.6,38 61.3,37.3 61.3,36.9 61.7,36.5 63.1,36.5 65.1,34.5 65.1,30.7 64.65,30.25 U1_1.7@63.7,30.25 62.395,30.25 62.125,29.98 R9_1.2@62.1,29.98
FB_CC_1_2: R9_2.2 U1_2.7 U2_2.1 | length 14.1
  Top Copper w0.127: U2_2.1@85.45,38 86.3,38 87,37.3 87,36.9 87.4,36.5 88.8,36.5 90.8,34.5 90.8,30.7 90.35,30.25 U1_2.7@89.4,30.25 88.095,30.25 87.825,29.98 R9_2.2@87.8,29.98
FB_CC_2_1: R21_1.2 U1_1.14 U3_1.1 | length 7.3
  Top Copper w0.127: U1_1.14@69.5,34.15 71.045,34.15 R21_1.2@71.375,34.48 ; U3_1.1@71.05,38 71.066,37.984 72.016,37.984 72.7,37.3 72.7,35.78 71.646,34.727 71.646,34.702 71.425,34.48 R21_1.2@71.4,34.48
FB_CC_2_2: R21_2.2 U1_2.14 U3_2.1 | length 7.3
  Top Copper w0.127: U1_2.14@95.2,34.15 96.745,34.15 R21_2.2@97.075,34.48 ; U3_2.1@96.75,38 96.766,37.984 97.716,37.984 98.4,37.3 98.4,35.78 97.346,34.727 97.346,34.702 97.125,34.48 R21_2.2@97.1,34.48
FB_CV_1_1: R10_1.1 R11_1.2 R20_1.2 U2_1.3 | length 4.4
  Top Copper w0.127: R20_1.2@58.18,38.1 R11_1.2@58.18,36.8 58.18,35.525 R10_1.1@58.18,35.5 58.7,35.5 59.184,35.984 59.734,35.984 U2_1.3@59.75,36
FB_CV_1_2: R10_2.1 R11_2.2 R20_2.2 U2_2.3 | length 4.4
  Top Copper w0.127: R10_2.1@83.88,35.5 R11_2.2@83.88,36.8 R20_2.2@83.88,38.1 ; U2_2.3@85.434,35.984 U2_2.3@85.45,36
  Top Copper w0.3: R10_2.1@83.88,35.5 84.4,35.5 84.884,35.984 U2_2.3@85.434,35.984
FB_CV_2_1: R22_1.1 R112_1.2 R113_1.2 U3_1.3 | length 4.3
  Top Copper w0.127: R22_1.1@69.48,35.625 R113_1.2@69.48,36.9 R112_1.2@69.48,38.2
  Top Copper w0.3: R22_1.1@69.48,35.6 69.519,35.639 70.039,35.639 70.393,35.993 71.043,35.993 U3_1.3@71.05,36
FB_CV_2_2: R22_2.1 R112_2.2 R113_2.2 U3_2.3 | length 4.3
  Top Copper w0.127: R22_2.1@95.18,35.625 R113_2.2@95.18,36.9 R112_2.2@95.18,38.2
  Top Copper w0.3: R22_2.1@95.18,35.6 95.219,35.639 95.739,35.639 96.093,35.993 96.743,35.993 U3_2.3@96.75,36
FLASH: J11.3 R92.2 | length 11.1
  Top Copper w0.127: J11.3@157.6,1.61 155.8,3.41 155.8,7.1 158.7,10 R92.2@158.7,10.72
GLOBAL_EN: J2.99